# Altium PCB PCB1.PcbDoc
Units mm, origin at the board's own origin, x right, y up, seen from the top; angles counter-clockwise.
Board outline 34 x 34 mm, 2 copper layers (Top Layer, Bottom Layer), stack 1.271 mm thick; 72 components, 72 nets, 254 pads, 161 vias.
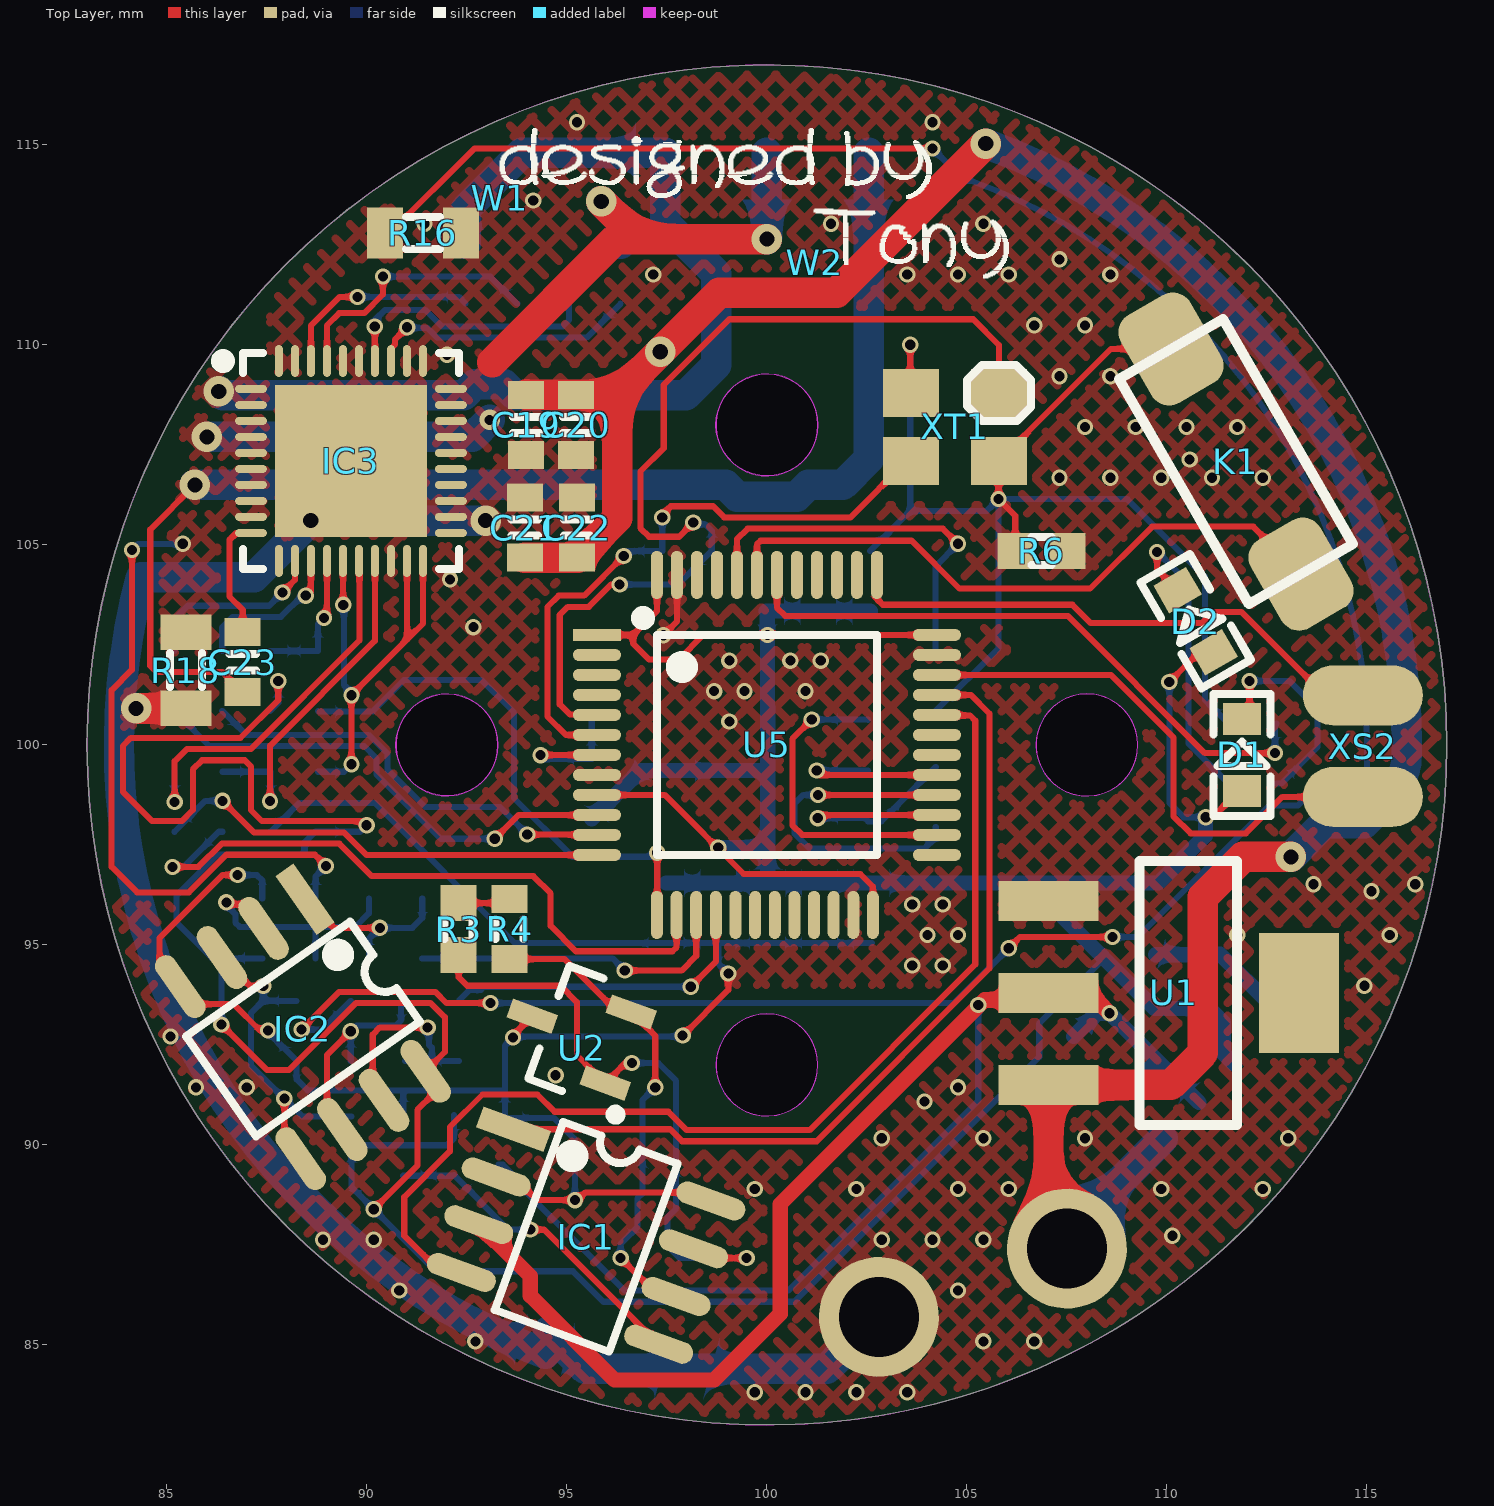
[diagram p0: Top Layer view]
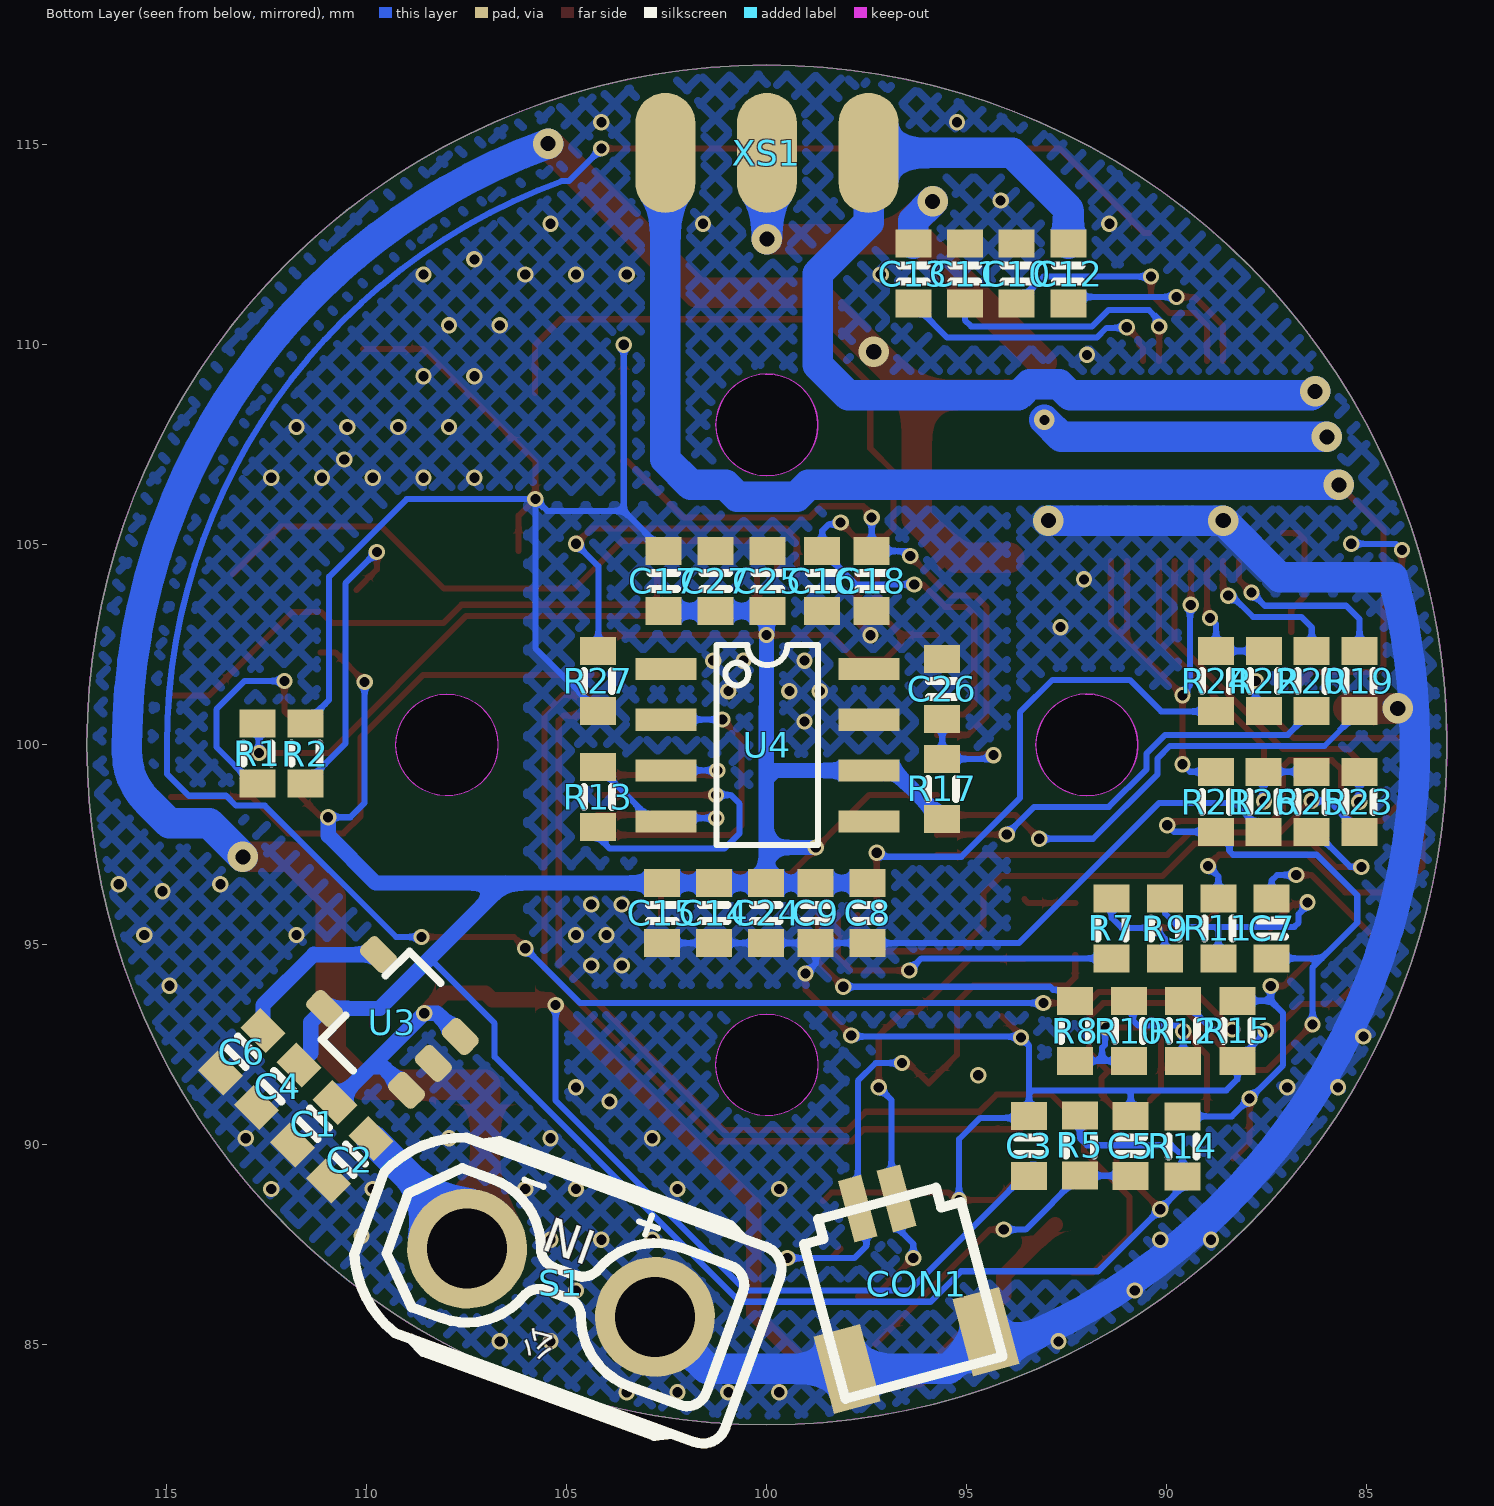
[diagram p1: Bottom Layer view, seen from below]
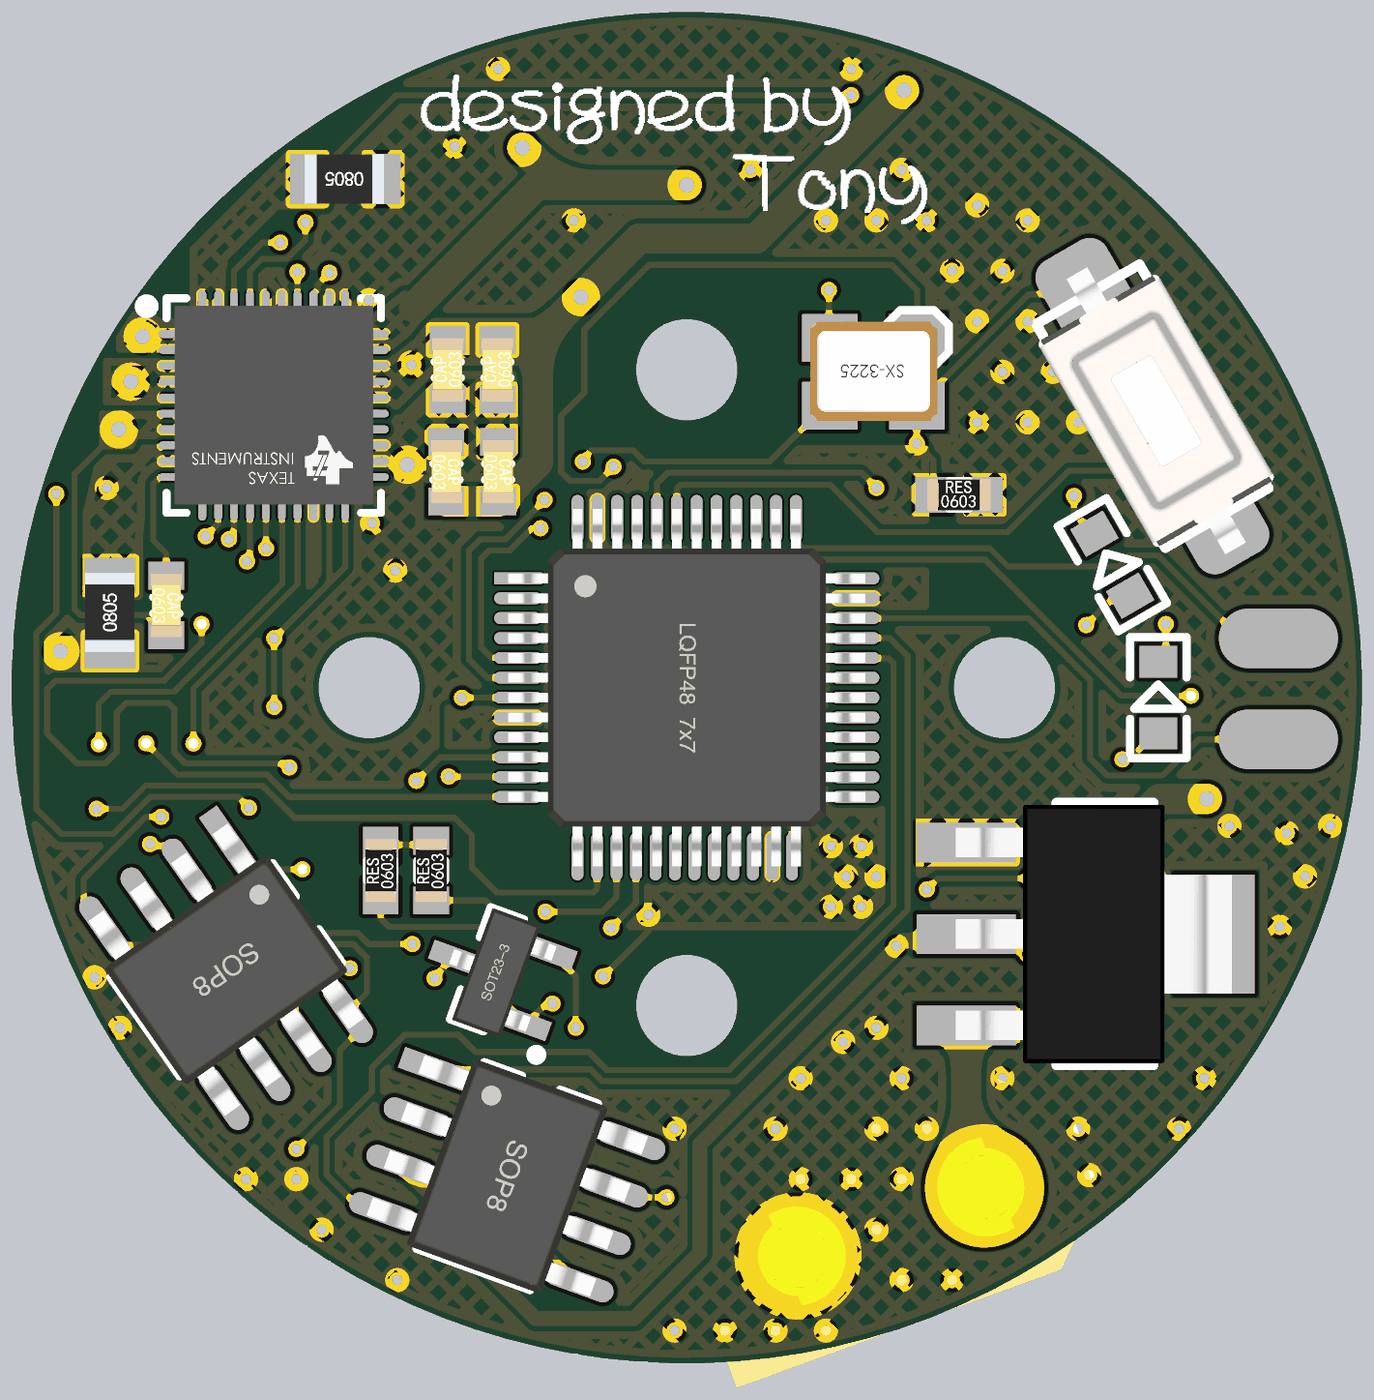
[diagram p2: 3D render of the assembled board from above, using the file's embedded part models]
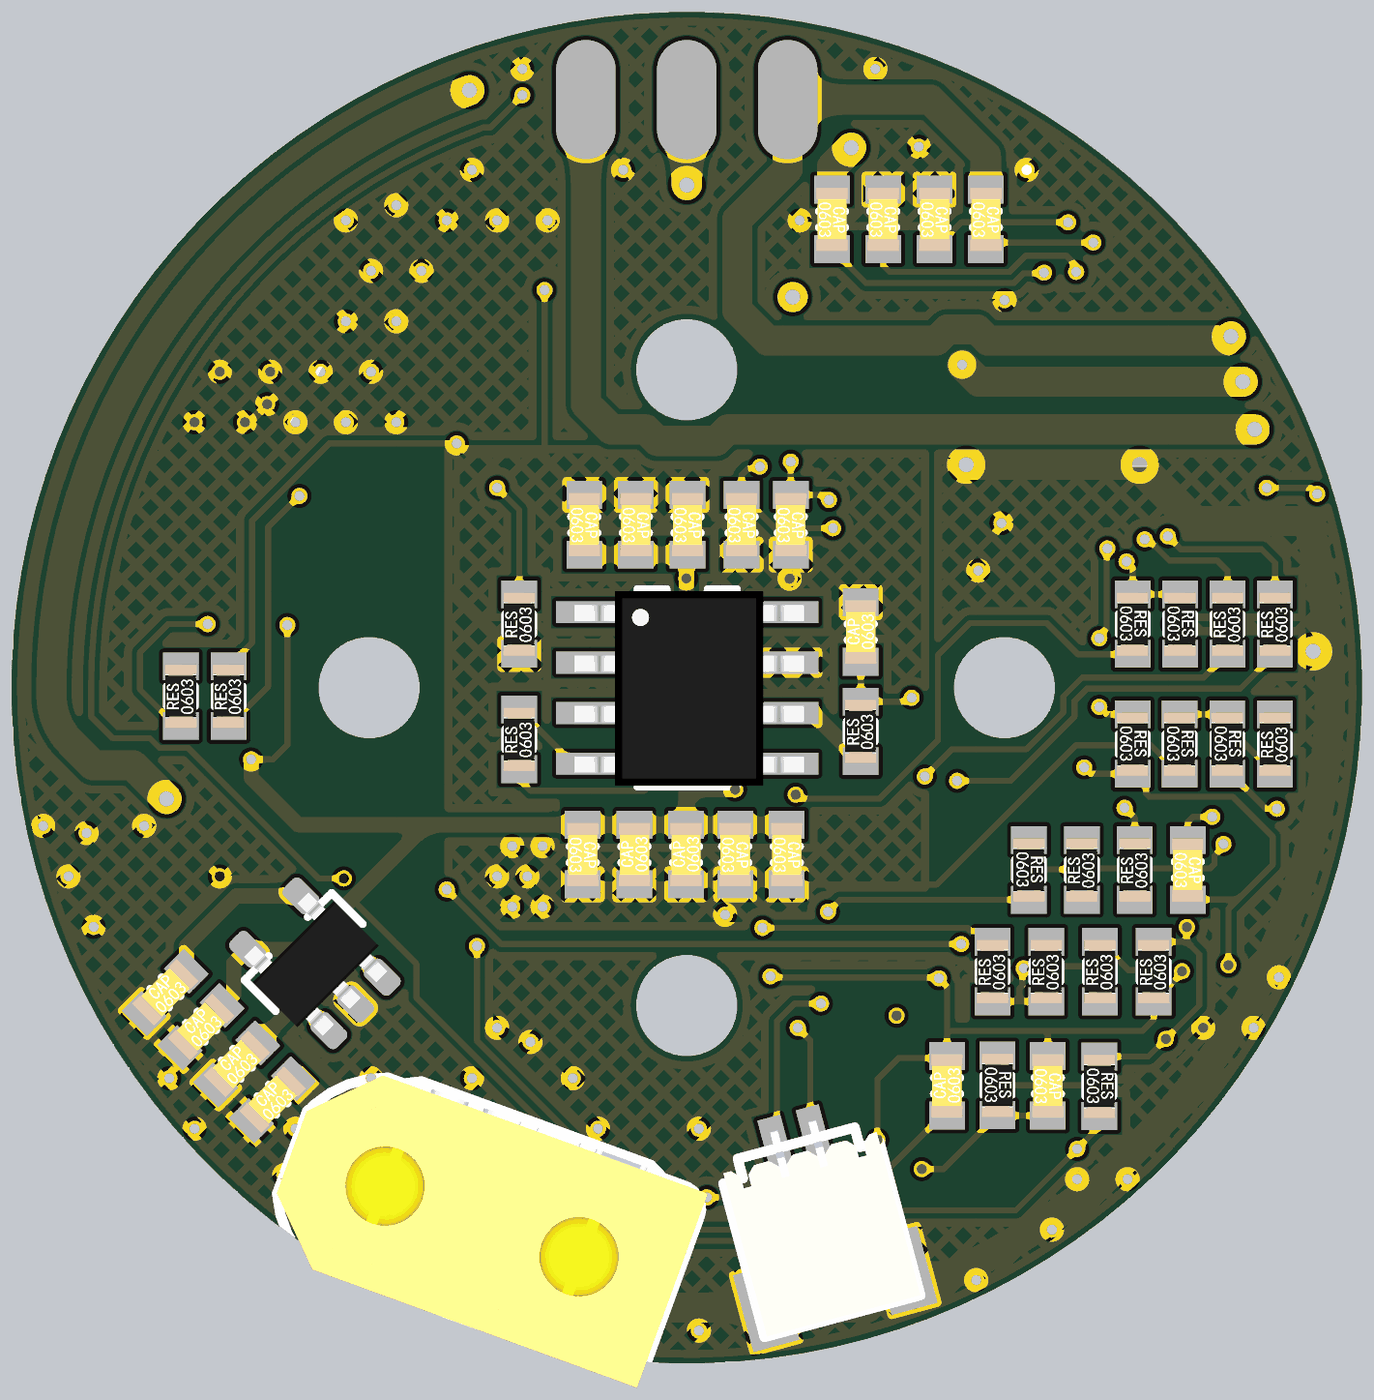
[diagram p3: 3D render of the assembled board from below, using the file's embedded part models]

## Layer stack, top to bottom
Top Solder: solder mask 0.0102, Solder Resist, Dk 3.5
Top Layer: signal copper 0.0356
Dielectric 1: dielectric 1.2, FR-4, Dk 4.8
Bottom Layer: signal copper 0.0356
Bottom Solder: solder mask 0.0102, Solder Resist, Dk 3.5

## Board outline
100,83 cw(c100,100) 83,100 cw(c100,100) 100,117 cw(c100,100) 117,100 cw(c100,100)
cut-out: 100,106.725 cw(c100,108) 98.725,108 cw(c100,108) 100,109.275 cw(c100,108) 101.275,108 cw(c100,108)
cut-out: 106.725,100 ccw(c108,100) 108,98.725 ccw(c108,100) 109.275,100 ccw(c108,100) 108,101.275 ccw(c108,100)
cut-out: 92,98.725 cw(c92,100) 90.725,100 cw(c92,100) 92,101.275 cw(c92,100) 93.275,100 cw(c92,100)
cut-out: 98.725,92 ccw(c100,92) 100,90.725 ccw(c100,92) 101.275,92 ccw(c100,92) 100,93.275 ccw(c100,92)

## Design rules (kind name [scope] priority, off if disabled: settings)
Clearance [All] p1: gap=0.127 ignorepadtopadclearanceinfootprint=TRUE
ComponentClearance [All] p1: gap=0.254 collisioncheckmode=3 verticalgap=-0.508 showdistances=FALSE
PlaneConnect [All] p1: planeconnectstyle=Direct reliefexpansion=0.508 reliefentries=4 reliefconductorwidth=0.254 reliefairgap=0.254
PolygonConnect [All] p1: connectstyle=Direct reliefconductorwidth=0.254 reliefentries=4 polygonreliefangle="90 Angle" airgapwidth=0.254
RoutingVias [All] p1: holewidth=0.711 width=1.27 viastyle="Through Hole" minholewidth=0.711 minwidth=1.27 maxholewidth=0.711 maxwidth=1.27
SolderMaskExpansion [All] p1: expansion=0.102 istentingtop=FALSE
Width [All] p1: maxlimit=2.54 minlimit=0.102 preferedwidth=0.152
28 further rules are at their usual default settings.

## Components (designator, comment, footprint, x,y, rotation, side; value= is the part's Value field where it differs from the comment)
C1 "0603-22u" CAP_0603 111.6,90.8 r135 bottom locked
C2 "0603-106" CAP_0603 110.7,89.9 r135 bottom locked
C3 "0603-104" CAP_0603 93.828,89.98 r90 bottom
C4 "106" CAP_0603 112.5,91.739 r135 bottom locked
C5 "0603-104" CAP_0603 90.525,89.98 r270 bottom
C6 "106" CAP_0603 113.4,92.6 r135 bottom locked
C7 "0603-104" CAP_0603 87.002,95.414 r270 bottom
C8 "104" CAP_0603 97.1,95.8 r270 bottom locked
C9 "2u2" CAP_0603 98.4,95.8 r270 bottom locked
C10 "0603-106" CAP_0603 93.378,111.785 r270 bottom
C11 "0603-106" CAP_0603 94.67,111.785 r270 bottom
C12 "0603-104" CAP_0603 92.087,111.785 r270 bottom
C13 "0603-104" CAP_0603 95.961,111.785 r270 bottom
C14 "104" CAP_0603 101.7,95.8 r90 bottom locked
C15 "104" CAP_0603 102.238,95.8 r270 bottom locked
C16 "22p" CAP_0603 98.238,104.1 r270 bottom locked
C17 "104" CAP_0603 102.2,104.1 r270 bottom locked
C18 "22p" CAP_0603 97,104.1 r270 bottom locked
C19 "0603-106" CAP_0603 93.6,108 r90 top locked
C20 "0603-106" CAP_0603 94.85,108 r90 top locked
C21 "0603-106" CAP_0603 94.33,105.435 r270 top locked
C22 "0603-106" CAP_0603 95.631,105.435 r270 top locked
C23 "0603-104" CAP_0603 87.274,102.071 r270 top locked
C24 "105" CAP_0603 100.4,95.8 r90 bottom locked
C25 "104" CAP_0603 99.6,104.1 r270 bottom locked
C26 "104" CAP_0603 96,101.4 r90 bottom locked
C27 "104" CAP_0603 100.9,104.1 r270 bottom locked
CON1 "SH1.0_2" "SH1.0 Horizontal 2P" 97.245,88.536 r345 bottom locked
D1 "led" led0603 112,99.8 r90 top locked
D2 "led" led0603 110.8,103.2 r120 top locked
IC1 "TJA1050" SOP8_N 95.479,87.706 r340 top locked
IC2 "LM358ADT" SOP8_N 88.4,92.9 r305 top locked
IC3 "MP6536DU" QFN-40_5X5 87.101,108.901 r0 top locked
K1 "3-6微动开关" 3-6微动开关 113.35,104.271 r120 top locked
R1 "0603-3k" RES_0603 113.121,99.786 r90 bottom locked
R2 "0603-3k" RES_0603 111.921,99.786 r90 bottom locked
R3 "0R" RES_0603-SHORT 91.913,95.396 r90 top locked
R4 "0603-120" RES_0603 93.183,95.396 r90 top locked
R5 "0603-1K'" RES_0603 91.796,89.992 r270 bottom
R6 "0R" RES_0603-SHORT 106.858,105.232 r0 top locked
R7 "0603-100" RES_0603 91.002,95.414 r270 bottom
R8 "0603-100" RES_0603 92.68,92.854 r90 bottom
R9 "0603-10K" RES_0603 90.43,95.414 r90 bottom
R10 "0603-10K" RES_0603 91.327,92.854 r90 bottom
R11 "0603-1K" RES_0603 89.097,95.414 r90 bottom
R12 "0603-1K" RES_0603 89.974,92.854 r90 bottom
R13 "4.7K" RES_0603 104.6,98.7 r90 bottom locked
R14 "0603-10K" RES_0603 89.23,89.967 r270 bottom
R15 "0603-390" RES_0603 88.621,92.854 r90 bottom
R16 "0805-0.05" RES_0805 91.4,112.8 r180 top locked
R17 "10k" RES_0603 96,98.9 r90 bottom locked
R18 "0805-0.05" RES_0805 85.474,101.871 r90 top locked
R19 "0603-100" RES_0603 85.567,101.6 r90 bottom
R20 "0603-100" RES_0603 86.762,101.6 r90 bottom
R21 "0603-10k" RES_0603 88.391,98.58 r270 bottom
R22 "0603-10k" RES_0603 87.195,101.6 r270 bottom
R23 "0603-100" RES_0603 85.569,98.58 r90 bottom
R24 "0603-100" RES_0603 88.391,101.6 r270 bottom
R25 "0603-100" RES_0603 86.008,98.58 r270 bottom
R26 "0603-10k" RES_0603 87.209,98.58 r270 bottom
R27 "10k" RES_0603 104.6,101.6 r90 bottom locked
S1 "DC-IO" XT30UPB-M 102.8,85.7 r290 bottom locked
U1 "AMS1117-5V" SOT223 113.3,93.8 r270 top locked
U2 "PESD1CAN" SOT23-3 95.956,91.543 r250 top locked
U3 "ME6211 3V3" SOT23-5 109.4,93.1 r45 bottom locked
U4 "TLE5012BE1000" SO-8 102.53,101.9 r180 bottom locked
U5 "STM32F103C8T6" LQFP48 100,100 r0 top locked
W1 "设计于" "designed by（430-70）" 93.32,113.665 r0 top
W2 "Tony" Tony_2(200-70) 101.194,112.065 r0 top
XS1 "HDR-1X3" SSP-3P 102.54,114.8 r180 bottom locked
XS2 "HDR-1X2" SSP-2P 114.9,98.7 r90 top locked
XT1 "8M" SMD3225_4p 105.8,108.8 r180 top locked

## Footprints (in the part's own frame and the unit in brackets; to place one, negate y for a bottom-side part, rotate by r counter-clockwise, add the part's x,y. Pads: shape width x height; smd on the part's side, far side on the other; paste and mask are expansions set on the pad)
3-6微动开关 [mm]
  rrect50% 2.54x2 smd: 1(0,0) 2(6.5,0)
  silkscreen extent 0,-1.5 6.5,1.5, body extent -0.9,-1.78 7.1,1.72, height 2.59
CAP_0603 [mm]
  rect 0.7x0.9 smd: 1(-0.75,-0.381) 2(0.75,-0.381)
  silkscreen extent -0.2,-0.71 0.2,-0.05, body extent -0.8,-0.78 0.8,0.02, height 0.8
"designed by（430-70）" [mm]
  silkscreen extent 0,0 10.79,1.75
led0603 [mm]
  rect 0.8x0.95 smd: 1(-0.95,0.125) 2(0.85,0.125)
  silkscreen extent -1.57,-0.59 1.47,0.84, body extent -1.02,-0.4 1,0.67, height 0.5
LQFP48 [mm] "STM32-48pin"
  rect 1.2x0.3 smd mask+0.051: 1(-4.25,2.75)
  oval 1.2x0.3 smd mask+0.051: 2(-4.25,2.25) 3(-4.25,1.75) 4(-4.25,1.25) 5(-4.25,0.75) 6(-4.25,0.25) 7(-4.25,-0.25) 8(-4.25,-0.75) 9(-4.25,-1.25) 10(-4.25,-1.75) 11(-4.25,-2.25) 12(-4.25,-2.75) 25(4.25,-2.75) 26(4.25,-2.25) 27(4.25,-1.75) 28(4.25,-1.25) 29(4.25,-0.75) 30(4.25,-0.25) 31(4.25,0.25) 32(4.25,0.75) 33(4.25,1.25) 34(4.25,1.75) 35(4.25,2.25) 36(4.25,2.75)
  oval 0.3x1.2 smd mask+0.051: 13(-2.75,-4.25) 14(-2.259,-4.25) 15(-1.768,-4.25) 16(-1.278,-4.25) 17(-0.787,-4.25) 18(-0.296,-4.25) 19(0.195,-4.25) 20(0.685,-4.25) 21(1.176,-4.25) 22(1.667,-4.25) 23(2.158,-4.25) 24(2.648,-4.25) 37(2.75,4.25) 38(2.25,4.25) 39(1.75,4.25) 40(1.25,4.25) 41(0.75,4.25) 42(0.25,4.25) 43(-0.25,4.25) 44(-0.75,4.25) 45(-1.25,4.25) 46(-1.75,4.25) 47(-2.25,4.25) 48(-2.75,4.25)
  silkscreen extent -3.25,-2.75 2.75,3.32, body extent -4.5,-4.5 4.5,4.5, height 1.45
QFN-40_5X5 [mm] "5mm-5mm"
  oval 0.8x0.2 smd paste-100 mask+0.051: 1(0,0) 2(0,-0.401) 3(0,-0.8) 4(0,-1.201) 5(0,-1.6) 6(0,-2.002) 7(0,-2.4) 8(0,-2.802) 9(0,-3.2) 10(0,-3.602) 21(4.999,-3.602) 22(4.999,-3.2) 23(4.999,-2.802) 24(4.999,-2.4) 25(4.999,-2.002) 26(4.999,-1.6) 27(4.999,-1.201) 28(4.999,-0.8) 29(4.999,-0.401) 30(4.999,0)
  oval 0.2x0.8 smd paste-100 mask+0.051: 11(0.699,-4.3) 12(1.1,-4.3) 13(1.499,-4.3) 14(1.9,-4.3) 15(2.299,-4.3) 16(2.7,-4.3) 17(3.099,-4.3) 18(3.5,-4.3) 19(3.899,-4.3) 20(4.3,-4.3) 31(4.3,0.699) 32(3.899,0.699) 33(3.5,0.699) 34(3.099,0.699) 35(2.7,0.699) 36(2.299,0.699) 37(1.9,0.699) 38(1.499,0.699) 39(1.1,0.699) 40(0.699,0.699)
  rect 3.8x3.8 smd paste-100 mask+0.051: 41(2.499,-1.801)
  silkscreen extent -0.85,-4.5 5.2,0.9, body extent 0,-4.29 5,0.71, height 0.73
RES_0603 [mm]
  rect 0.7x0.9 smd: 1(-0.75,-0.381) 2(0.75,-0.381)
  silkscreen extent -0.25,-0.73 0.25,-0.03, body extent -0.8,-0.78 0.8,0.02, height 0.45
RES_0603-SHORT [mm]
  rect 0.9x0.9 smd: 1(-0.65,-0.381) 2(0.65,-0.381)
  silkscreen extent -0.25,-0.73 0.25,-0.03, body extent -0.8,-0.78 0.8,0.02, height 0.45
RES_0805 [mil]
  rect 35x50 smd: 1(-37.4,0) 2(37.4,0)
  silkscreen extent -17,-16 17,16, body extent -38,-25 40,25, height 14
"SH1.0 Horizontal 2P" [mm] "SH1.0 接插件 卧式"
  rect 1.2x2 smd: 0(-1.8,3.8) 0(1.8,3.8)
  rect 0.6x1.6 smd: 1(0.5,0) 2(-0.5,0)
  silkscreen extent -2.03,0 2.03,4.51, body extent -2.03,-0.44 1.97,4.51, height 2.9
SMD3225_4p [mm]
  rect 1.4x1.2 smd: 1(0,0) 2(2.2,0) 3(2.2,1.7) 4(0,1.7)
  silkscreen extent -0.8,-0.7 0.8,0.7, body extent -0.51,-0.41 2.69,2.09, height 0.81
SO-8 [mm]
  rect 1.525x0.555 smd mask+0.102: 1(0,0) 2(0,-1.27) 3(0,-2.54) 4(0,-3.81) 5(5.08,-3.81) 6(5.08,-2.54) 7(5.08,-1.27) 8(5.08,0)
  silkscreen extent 1.27,-4.41 3.81,0.6, body extent -0.3,-4.37 5.48,0.53, height 1.45
SOP8_N [mm] "5*6*1.8mm（长宽高）"
  rect 1.8x0.55 smd: 1(-2.625,1.905)
  oval 1.8x0.55 smd: 2(-2.625,0.635) 3(-2.625,-0.635) 4(-2.625,-1.905) 5(2.625,-1.905) 6(2.625,-0.635) 7(2.625,0.635) 8(2.625,1.905)
  silkscreen extent -1.52,-2.5 1.52,2.5, body extent -3,-2.5 3,2.5, height 1.9
SOT23-3 [mm]
  rect 0.5x1.2 smd: 1(0,0) 2(-1.9,0) 3(-0.95,-2.286)
  silkscreen extent -2.45,-1.84 0.77,0.63, body extent -2.45,-2.34 0.55,0.06, height 1.05
SOT23-5 [mm] "SOT23, 3-Leads, Body 3.1x3.0mm (max), Pitch 0.95mm, IPC Medium Density"
  rrect50% 0.889x0.6 smd: 1(-1.5,0.95) 2(-1.5,0) 3(-1.5,-0.95) 4(1.396,-0.95) 5(1.396,0.95)
  silkscreen extent -0.2,-1.55 0.9,1.55, body extent -1.48,-1.45 1.32,1.45, height 1.2
SOT223 [mm]
  rect 1x2.5 smd: 1(-2.3,-6.262) 2(0,-6.262) 3(2.3,-6.262)
  rect 3x2 smd: ""(0,0)
  silkscreen extent -3.3,-3.99 3.3,-1.55, body extent -3.25,-6.53 3.25,0.43, height 1.7
SSP-2P [mm] "single sided pad 单面焊盘"
  oval 1.5x3 smd: 1(0,0) 2(2.54,0)
SSP-3P [mm] "single sided pad 单面焊盘"
  oval 1.5x3 smd: 1(0,0) 2(2.54,0) 3(5.08,0)
Tony_2(200-70) [mm]
  silkscreen extent -0.03,-0.38 4.85,1.35
XT30UPB-M [mm] "电源输入"
  round 3 hole 2: 1(0,0) 2(0,-5)
  silkscreen extent -2.8,-7.6 2.8,2.6, body extent -2.71,-7.71 2.59,2.69, height 12.6

## Part data
C1 C2 C3 C4 C5 C6 C7 C8 C9 C10 C11 C12 C13 C14 C15 C16 C17 C18 C19 C20 C21 C22 C23 C24 C25 C26 C27: library part cap
CON1: "SH1.0 座子"
IC1: "CAN总线收发芯片", BOM名称=CAN总线收发芯片, 学习资源=www.ooocke.com, 版权归属=源创客
IC2: "双通道运放-电流采样芯片", BOM名称=双通道运放-电流采样芯片
IC3: "三通道板桥驱动芯片"
K1: "3*6mm"
R1 R2 R4 R5 R7 R8 R9 R10 R11 R12 R13 R14 R15 R16 R17 R18 R19 R20 R21 R22 R23 R24 R25 R26 R27: library part Res
R3 R6: library part Res-SHORT
S1: library part XT30, "XT30UPB-I/O"
U1: library part AMS1117
U2: "CAN过压保护,放于外部接口端"
U3: library part ME6211, "LDO"
U4: library part TLE5012, "磁角度编码器"
U5: library part STM32F103C8T6-LCC
XS1: library part "Header 3", "3P接插件", BOM名称=3P接插件, 学习资源=www.ooocke.com, 版权归属=源创客
XS2: library part "Header 2", "2P接插件", BOM名称=2P接插件, 学习资源=www.ooocke.com, 版权归属=源创客
XT1: library part XTAL-4P

## Via types
v1: diameter 0.406, hole 0.254, Top Layer to Bottom Layer, 149 vias
v2: diameter 0.762, hole 0.381, Top Layer to Bottom Layer, 11 vias
v3: diameter 0.508, hole 0.254, Top Layer to Bottom Layer, 1 vias

## Nets (pads, with @x,y where several pads share a name; then routed paths per layer and width w, separated by ;. In a path a pad name is that pad's centre, name@x,y a point inside that pad or via, vN(x,y) a via of type N, cw(c..) or ccw(c..) an arc to the next point about the centre after c; other vN are vias at no path point)
3v3: C4.2 C7.2 C8.1 C9.1 C14.2 C15.1 C17.2 C24.2 C25.2 C27.2 D1.1 D2.1 IC2.8 R5.1 R14.2 R17.1 R21.2 R22.2 U3.5 U4.6 U5.1 U5.9 U5.24 U5.36 U5.48 | length 130.8
  Top Layer w0.152: v1(86.36,93.015) 87.503,91.872 88.046,91.872 89.722,93.548 91.592,93.548 91.948,93.193 91.948,92.324 IC2.8 91.641,91.668 91.641,91.254 91.262,90.876 91.262,89.484 v1(90.17,88.392) ; v1(87.782,101.6) 87.782,101.122 86.838,100.178 84.099,100.178 83.896,99.974 83.896,98.831 84.633,98.095 85.369,98.095 85.649,98.374 85.649,99.39 85.877,99.619 86.944,99.619 87.097,99.466 87.097,98.374 87.376,98.095 89.891,98.095 v1(89.992,97.993) ; U5.9 97.44,98.75 99.416,96.774 102.337,96.774 102.648,96.462 U5.24 ; U5.1 96.654,102.75 ; U5.48 97.25,103.346 96.654,102.75 ; U5.36 v1(100.011,102.75) 98.407,102.75 97.79,102.133 97.053,102.133 96.654,102.533 96.654,102.75 ; v1(110.058,101.575) 110.798,102.314 D2.1 ; v1(110.97,98.194) 111.019,98.243 111.193,98.243 111.8,98.85 D1.1
  Bottom Layer w0.152: v1(86.36,93.015) 86.36,94.437 86.131,94.666 ; C7.2 87.381,94.666 86.131,94.666 ; R22.2 87.782,101.056 v1(87.782,101.6) ; v1(89.992,97.993) 89.829,97.83 88.711,97.83 88.437,97.556 88.437,97.346 88.348,97.257 86.258,97.257 85.242,96.241 85.242,95.555 86.131,94.666 ; R5.1 92.177,90.17 91.999,89.992 89.891,89.992 89.611,89.713 R14.2 89.611,88.951 v1(90.17,88.392) 91.719,86.843 95.148,86.843 95.91,86.081 100.686,86.081 106.807,92.202 106.807,93.04 108.382,94.615 108.382,94.717 ; v1(110.058,101.575) 110.058,98.552 110.416,98.194 v1(110.97,98.194)
  Bottom Layer w0.381: R17.1 96.829,99.36 U4.6 99.796,99.36 100.019,99.137 ; C8.1 C9.1 C24.2 ; v1(98.781,97.434) 100.019,97.434 ; C17.2 C27.2 C25.2 100.006,103.325 100.006,102.755 v1(100.011,102.75) 100.011,100.944 100.019,100.936 100.019,99.137 ; v1(110.97,98.194) 110.966,98.189 110.966,97.732 109.783,96.55 106.548,96.55 ; C4.2 111.404,92.296 111.404,93.069 U3.5 109.683,93.415 108.382,94.717 106.548,96.55 ; C24.2 100.019,97.434 ; C24.2 C14.2 C15.1 106.548,96.55 ; 100.019,97.434 100.019,99.137
5V: C1.2 C3.1 IC1.3 U1.2 U3.1 U3.3 | length 46.6
  Top Layer w0.381: IC1.3 94.082,86.72 94.082,86.233 96.19,84.125 98.679,84.125 100.33,85.776 100.33,88.519 105.296,93.485 105.44,93.629 106.867,93.629 U1.2 108.061,93.8 v1(108.567,93.294)
  Bottom Layer w0.152: C3.1@93.294,89.51 93.394,89.51 93.668,89.236 93.668,89.136 96.444,86.36 100.533,86.36 105.283,91.11 v1(105.283,93.497)
  Bottom Layer w0.381: U3.3 108.251,93.294 v1(108.567,93.294) 109.91,91.951 ; U3.1 109.595,91.951 109.91,91.951 ; C1.2 109.91,91.951
BOOT0: R27.2 U5.44 | length 9.6
  Top Layer w0.152: U5.44 99.25,105.143 99.517,105.41 104.394,105.41 v1(104.775,105.029)
  Bottom Layer w0.152: R27.2 104.216,102.353 104.216,104.47 v1(104.775,105.029)
CAN1_RX: IC1.4 U5.32 | length 27.7
  Top Layer w0.152: IC1.4 91.85,86.814 90.932,87.732 90.932,88.697 92.075,89.84 92.075,90.449 92.888,91.262 94.259,91.262 94.691,90.83 97.536,90.83 97.993,90.373 101.067,90.373 105.207,94.513 105.207,100.609 105.08,100.736 104.264,100.736 U5.32
CAN1_TX: IC1.1 U5.33 | length 21.7
  Top Layer w0.152: IC1.1 97.577,90.394 97.877,90.094 101.244,90.094 105.562,94.412 105.562,100.787 105.1,101.25 U5.33
CAN1H: CON1.1 IC1.7 R3.1 U2.1 | length 16
  Top Layer w0.152: R3.1 92.294,94.193 92.507,93.98 94.844,93.98 95.25,93.574 95.25,92.249 U2.1 96.462,92.05 v1(96.622,92.05) ; IC1.7 98.395,87.173 v1(99.492,87.173)
  Bottom Layer w0.152: v1(96.622,92.05) 97.282,92.05 97.728,91.604 CON1.1 97.511,88.19 97.511,87.478 97.815,87.173 v1(99.492,87.173)
CAN1L: CON1.2 IC1.6 R4.1 U2.2 | length 12.1
  Top Layer w0.152: R4.1 94.94,94.646 96.257,93.329 U2.2 97.206,92.729 v1(97.206,91.44) ; v1(96.342,87.173) 97.303,86.212 IC1.6
  Bottom Layer w0.152: v1(96.342,87.173) 96.342,87.528 96.762,87.948 CON1.2 96.891,88.795 96.891,91.125 v1(97.206,91.44)
CS: U4.3 U5.29 | length 4.3
  Top Layer w0.152: v1(101.244,99.365) 101.359,99.25 U5.29
  Bottom Layer w0.152: v1(101.244,99.365) 102.525,99.365 U4.3
DC+: C2.2 C19.2 C20.2 C21.2 C22.2 IC3.3 IC3.4 IC3.5 IC3.26 IC3.27 IC3.28 S1.2 U1.3 | length 70
  Top Layer w0.762: C21.2 C22.2 95.268,104.685 96.253,105.67 96.253,108.75 ; C19.2@94,108.769 C19.2 C20.2 96.253,108.75 ; v2(105.472,115.035) 101.74,111.303 98.806,111.303 v2(97.333,109.83) 96.253,108.75 ; S1.2 107.038,87.871 U1.3 110.1,91.5 110.9,92.3 110.9,96.2 111.9,97.2 v2(113.1,97.2)
  Bottom Layer w0.762: v2(86,107.7) 92.638,107.7 v3(93.066,108.128) ; v2(105.472,115.035) cw(c100,100) 116,100 116,99.807 cw(c114.293,99.807) 115.5,98.6 114.947,98.047 113.947,98.047 v2(113.1,97.2) ; S1.2 107.498,87.759 C2.2
DGND: C3.2 C5.1 C7.1 C8.2 C9.2 C14.1 C15.2 C16.2 C17.1 C18.2 C24.1 C25.1 C26.2 C27.1 IC1.2 IC1.8 IC2.4 K1.2 R2.2 R6.1 R15.1 R26.2 R27.1 U2.3 U4.7 U5.8 U5.23 U5.35 U5.47 XT1.2 XT1.4 | length 85.8
  Top Layer w0.152: v1(86.766,96.749) 86.385,96.749 84.811,95.174 84.811,94.481 IC2.4 85.769,93.523 86.665,93.523 87.325,92.862 v1(87.528,92.862) ; IC1.2 93.679,89.201 94.259,88.621 v1(95.199,88.621) 95.268,88.621 95.46,88.812 98.383,88.812 IC1.8 ; v1(93.65,92.685) 93.65,92.735 U2.3 ; v1(97.409,102.743) 97.75,103.084 U5.47 ; v1(97.892,92.735) 99.035,93.878 v1(99.035,94.285) ; v1(103.581,110.007) 103.581,108.819 XT1.2 ; R6.1 106.208,105.73 v1(105.791,106.147) 105.791,107.091 XT1.4 108.6,109.9 K1.2
  Bottom Layer w0.152: v1(86.766,96.749) 87.249,96.749 87.383,96.615 C7.1 ; v1(87.528,92.862) 87.528,92.816 R15.1 88.24,91.642 88.519,91.364 90.995,91.364 ; R26.2 88.312,98.552 90.195,98.552 93.701,95.047 97.478,95.047 C8.2 C9.2 ; C5.1 90.906,91.275 90.995,91.364 ; v1(95.199,88.621) 95.199,90.145 94.666,90.678 93.499,90.678 C3.2 93.447,91.275 ; v1(97.892,92.735) 97.866,92.71 93.675,92.71 93.447,92.481 93.447,91.275 ; v1(99.035,94.285) 98.781,94.538 C9.2 ; C17.1 103.581,105.85 ; C15.2 C14.1 C24.1 C9.2 ; v1(103.581,110.007) 103.581,105.85 ; R27.1 105.791,102.422 v1(105.791,106.147) ; R2.2 110.947,101.129 110.947,104.207 109.007,106.147 v1(105.791,106.147) ; 90.995,91.364 93.357,91.364 93.447,91.275 ; 103.581,105.85 105.495,105.85 v1(105.791,106.147)
  other v1: 103.632,94.488 104.394,94.488 104.013,95.25 104.775,95.25 103.632,96.012 104.394,96.012 99.06,100.584 98.679,101.346 99.441,101.346 100.965,101.346 99.06,102.108 100.584,102.108 101.346,102.108
LED: R1.2 U5.42 | length 15.5
  Top Layer w0.152: U5.42 100.25,103.433 100.457,103.226 107.518,103.226 110.947,99.797 v1(112.7,99.797)
  Bottom Layer w0.152: v1(112.7,99.797) 112.7,100.496 R1.2
M1_ADC_IU: R7.2 U5.15 | length 8.1
  Top Layer w0.152: v1(96.444,94.361) 97.866,94.361 98.232,94.726 U5.15
  Bottom Layer w0.152: R7.2 96.14,94.664 v1(96.444,94.361)
M1_ADC_IV: R8.2 U5.16 | length 8
  Top Layer w0.152: v1(98.095,93.955) 98.722,94.582 U5.16
  Bottom Layer w0.152: R8.2 92.573,93.878 92.846,93.878 92.923,93.955 v1(98.095,93.955)
M1_FAULTB: R24.2 U5.13 | length 13.5
  Top Layer w0.152: U5.13 97.257,95.757 v1(97.257,97.307)
  Bottom Layer w0.152: R24.2 88.784,100.838 90.145,100.838 90.932,101.625 92.862,101.625 93.675,100.813 93.675,98.67 95.139,97.206 97.155,97.206 v1(97.257,97.307)
M1_IU: IC3.8 IC3.9 R11.2 R18.2 | length 16.5
  Top Layer w0.152: v1(84.125,104.877) 84.125,101.879 83.617,101.371 83.617,96.952 84.252,96.317 85.547,96.317 86.487,97.257 88.697,97.257 v1(88.976,96.977)
  Bottom Layer w0.152: v1(84.125,104.877) 84.277,105.029 v1(85.395,105.029) ; R11.2 88.716,96.717 v1(88.976,96.977)
M1_IV: IC3.39 IC3.40 R12.2 R16.2 | length 66
  Top Layer w0.152: v1(88.367,92.888) 89.306,93.828 91.708,93.828 91.988,93.548 v1(93.091,93.548) ; R16.2 90.575,112.8 92.685,114.91 v1(104.14,114.91) ; v1(106.045,94.92) 106.324,95.199 v1(108.636,95.199)
  Bottom Layer w0.152: v1(88.367,92.888) 88.877,92.888 R12.2 ; v1(93.091,93.548) 104.673,93.548 v1(106.045,94.92) ; v1(104.14,114.91) 104.954,114.095 105.13,114.095 cw(c100,100) 115,100 115,99.277 114.452,98.73 113.521,98.73 113.274,98.483 112.554,98.483 109.271,95.199 v1(108.636,95.199)
M1_TIM_PWM1: R19.1 U5.10 | length 12.4
  Top Layer w0.152: v1(93.193,97.656) 93.783,98.247 95.747,98.247 U5.10
  Bottom Layer w0.152: R19.1 86.061,99.974 89.927,99.974 90.236,99.666 90.236,99.269 91.849,97.656 v1(93.193,97.656)
M1_TIM_PWM2: R20.1 U5.11 | length 10.9
  Top Layer w0.152: v1(94.005,97.765) 94.013,97.757 95.743,97.757 U5.11
  Bottom Layer w0.152: R20.1 86.977,100.254 90.043,100.254 90.515,99.781 90.515,99.385 91.45,98.45 93.32,98.45 v1(94.005,97.765)
M1_TIM_PWM3: R23.1 U5.12 | length 11.4
  Top Layer w0.152: v1(86.385,98.603) 87.173,97.815 89.422,97.815 89.988,97.25 U5.12
  Bottom Layer w0.152: R23.1 85.961,98.603 v1(86.385,98.603)
M1_U: C23.2 IC3.6 IC3.7 XS1.1 | length 32.6
  Top Layer w0.152: v2(85.7,106.5) 84.582,105.382 84.582,101.981 84.734,101.829 86.385,101.829 C23.2
  Bottom Layer w0.762: v2(85.7,106.5) 98.969,106.5 99.259,106.211 100.741,106.211 101.031,106.5 101.9,106.5 102.54,107.14 XS1.1
M1_V: C12.1 IC3.1 IC3.2 XS1.3 | length 25.3
  Bottom Layer w0.762: v2(86.297,108.839) 86.399,108.737 92.418,108.737 92.697,109.017 93.434,109.017 93.713,108.737 97.968,108.737 98.73,109.499 98.73,111.785 97.46,113.055 XS1.3 93.87,114.8 92.468,113.397 C12.1
M1_W: C13.1 IC3.29 IC3.30 XS1.2 | length 12.9
  Top Layer w0.762: 93.132,109.566 96.215,112.649 96.799,112.649 ; v2(95.86,113.589) 96.799,112.649 ; v2(100,112.649) 96.799,112.649
  Bottom Layer w0.762: v2(95.86,113.589) 96.342,113.106 C13.1 ; v2(100,112.649) XS1.2
M_EN: R25.2 U5.14 | length 16.9
  Top Layer w0.152: v1(85.141,96.952) 85.787,96.952 86.371,97.536 89.306,97.536 90.119,96.723 94.158,96.723 94.59,96.291 94.59,95.479 95.225,94.844 97.638,94.844 97.741,94.947 U5.14
  Bottom Layer w0.152: v1(85.141,96.952) 85.42,96.952 86.298,97.83 R25.2
M_TLE5012_CLK: U4.2 U5.26 | length 8
  Top Layer w0.152: v1(101.117,100.635) 100.635,100.152 100.635,97.993 100.878,97.75 U5.26
  Bottom Layer w0.152: v1(101.117,100.635) 102.525,100.635 U4.2
M_TLE5012_MISO: R13.2 U4.4 U5.27 | length 6.6
  Top Layer w0.152: v1(101.27,98.171) 101.349,98.25 U5.27
  Bottom Layer w0.152: v1(101.27,98.171) 102.449,98.171 U4.4 102.859,98.09 R13.2
M_TLE5012_MOSI: R13.1 U5.28 | length 8.5
  Top Layer w0.152: v1@101.27,98.755 v1(101.275,98.75) U5.28
  Bottom Layer w0.152: v1(101.275,98.75) 100.909,98.75 100.686,98.527 100.686,97.79 101.067,97.409 103.937,97.409 104.219,97.691 R13.1
NetC5_2: C5.2 IC1.5 R5.2 | length 8.1
  Top Layer w0.152: v1(94.082,87.884) 94.428,87.884 IC1.5
  Bottom Layer w0.152: C5.2 92.165,89.23 R5.2 93.535,87.884 v1(94.082,87.884)
NetC6_2: C6.2 U3.4 | length 4.1
  Bottom Layer w0.381: U3.4 111.319,94.759 111.328,94.767 112.6,93.495 C6.2
NetC10_2: C10.2 IC3.37 | length 6.7
  Top Layer w0.152: IC3.37 89.001,110.489 89.306,110.795 89.932,110.795 90.399,111.261 v1(90.399,111.709)
  Bottom Layer w0.152: v1(90.399,111.709) 93.085,111.709 C10.2
NetC11_2: C11.2 IC3.34 | length 6.6
  Top Layer w0.152: v1(90.195,110.465) 90.195,109.603 IC3.34
  Bottom Layer w0.152: v1(90.195,110.465) 90.195,110.617 90.449,110.871 91.465,110.871 91.872,110.465 94.894,110.465 95.051,110.621 C11.2
NetC12_2: C12.2 IC3.38 | length 5.1
  Top Layer w0.152: IC3.38 88.599,110.483 89.318,111.201 v1(89.764,111.201)
  Bottom Layer w0.152: v1(89.764,111.201) 92.302,111.201 C12.2
NetC13_2: C13.2 IC3.33 | length 6.8
  Top Layer w0.152: IC3.33 90.601,109.912 90.696,110.008 90.696,110.136 v1(91.004,110.443)
  Bottom Layer w0.152: v1(91.004,110.443) 91.018,110.429 91.512,110.429 91.756,110.185 95.492,110.185 C13.2
NetC16_1: C16.1 U5.5 XT1.1 | length 24.7
  Top Layer w0.152: U5.5 95.743,100.757 95.077,100.757 94.818,101.016 94.818,103.251 95.021,103.454 95.544,103.454 96.102,104.013 v1(96.317,104.013) ; v1(98.158,105.562) 97.802,105.207 97.053,105.207 96.837,105.423 96.837,106.837 97.419,107.419 97.419,109.001 99.06,110.642 105.156,110.642 105.8,109.998 XT1.1
  Bottom Layer w0.152: v1(96.317,104.013) 97.782,104.013 C16.1 98.619,105.356 98.461,105.514 98.207,105.514 v1(98.158,105.562)
NetC18_1: C18.1 U5.6 XT1.3 | length 15.5
  Top Layer w0.152: U5.6 94.974,100.25 94.513,100.711 94.513,103.454 94.793,103.734 95.428,103.734 v1(96.418,104.724) ; v1(97.384,105.689) 97.384,105.758 97.594,105.969 98.654,105.969 98.933,105.689 102.089,105.689 103.5,107.1 XT1.3
  Bottom Layer w0.152: v1(96.418,104.724) 96.544,104.85 C18.1 97.381,105.687 v1(97.384,105.689)
NetC23_1: C23.1 IC3.10 | length 3.1
  Top Layer w0.152: C23.1 86.893,103.378 86.563,103.708 86.563,105.131 86.732,105.299 IC3.10
NetD1_2: D1.2 R1.1 | length 5.4
  Top Layer w0.152: D1.2 112.065,100.84 v1(112.065,101.6)
  Bottom Layer w0.152: v1(112.065,101.6) 113.055,101.6 113.767,100.889 113.767,99.949 112.854,99.036 R1.1
NetD2_2: D2.2 R2.1 | length 7.7
  Top Layer w0.152: v1(109.753,104.826) 109.753,104.386 D2.2
  Bottom Layer w0.152: v1(109.753,104.826) 110.541,104.038 110.541,100.035 R2.1
NetIC2_1: IC2.1 R7.1 R9.1 | length 4.7
  Top Layer w0.152: IC2.1 89.17,95.428 v1(90.322,95.428)
  Bottom Layer w0.152: R9.1 90.049,95.155 v1(90.322,95.428) 91.135,95.428 91.383,95.675 R7.1
NetIC2_2: IC2.2 R9.2 R11.1 | length 6.5
  Top Layer w0.152: v1(86.485,96.065) 86.533,96.016 86.813,96.016 86.826,96.003 86.872,96.003 87.415,95.46 IC2.2
  Bottom Layer w0.152: v1(86.485,96.065) 86.485,95.996 86.709,95.772 86.709,95.561 86.817,95.453 88.805,95.453 ; R11.1 88.716,95.364 88.805,95.453 ; R9.2 90.049,95.79 89.713,95.453 88.805,95.453
NetIC2_3: IC2.3 IC2.5 R14.1 R15.2 | length 9
  Top Layer w0.152: IC2.3 87.085,93.975 v1(87.406,93.975) ; v1(87.935,91.161) 87.935,90.067 IC2.5
  Bottom Layer w0.152: v1(87.406,93.975) 87.406,93.604 ; R15.2 87.406,93.604 ; R14.1 88.379,90.717 v1(87.935,91.161) 87.097,91.999 87.097,93.294 87.406,93.604
NetIC2_6: IC2.6 R10.2 R12.1 | length 4.8
  Top Layer w0.152: IC2.6@89.002,90.881 89.002,92.253 v1(89.593,92.845)
  Bottom Layer w0.152: R12.1 v1(89.593,92.845) 89.738,92.989 90.728,92.989 90.853,93.114 90.853,93.511 R10.2
NetIC2_7: IC2.7 R8.1 R10.1 | length 5.4
  Top Layer w0.152: IC2.7 90.145,91.395 90.145,92.761 90.322,92.939 v1(91.516,92.939)
  Bottom Layer w0.152: R10.1 91.623,92.104 ; v1(91.516,92.939) 91.55,92.905 91.55,92.507 91.623,92.433 91.623,92.104 ; R8.1 91.623,92.104
NetIC3_12: IC3.12 R19.2 | length 4.7
  Top Layer w0.152: v1(87.884,103.81) 88.2,104.126 IC3.12
  Bottom Layer w0.152: R19.2 85.186,103.144 85.522,103.48 87.554,103.48 v1(87.884,103.81)
NetIC3_13: IC3.13 R20.2 | length 3.9
  Top Layer w0.152: v1(88.468,103.734) 88.599,103.865 IC3.13
  Bottom Layer w0.152: R20.2 86.381,102.942 86.639,103.2 87.849,103.2 88.383,103.734 v1(88.468,103.734)
NetIC3_14: IC3.14 R22.1 R24.1 | length 3.5
  Top Layer w0.152: v1(88.925,103.175) 89.001,103.25 IC3.14
  Bottom Layer w0.152: R22.1 R24.1 88.772,103.021 v1(88.925,103.175)
NetIC3_15: IC3.15 IC3.19 IC3.20 R21.1 | length 12.2
  Top Layer w0.152: IC3.15 89.403,104.597 89.403,103.507 v1(89.407,103.503) ; v1(89.611,99.517) v1(89.611,101.244) 91,102.633 ; IC3.19 91,102.633 ; IC3.20 91.401,103.034 91,102.633
  Bottom Layer w0.152: R21.1 89.424,99.33 v1(89.611,99.517) ; v1(89.407,103.503) 89.425,103.486 89.425,101.5 89.611,101.313 v1(89.611,101.244)
NetIC3_16: IC3.16 R23.2 | length 9.6
  Top Layer w0.152: v1(85.192,98.577) 85.192,99.593 85.496,99.898 87.097,99.898 89.813,102.615 89.813,104.588 IC3.16
  Bottom Layer w0.152: R23.2 85.188,98.581 v1(85.192,98.577)
NetIC3_17: IC3.17 R25.1 R26.1 | length 9
  Top Layer w0.152: v1(87.577,98.596) 87.577,99.984 90.199,102.606 IC3.17
  Bottom Layer w0.152: R25.1 R26.1 87.59,98.614 v1@87.579,98.603
NetR3_2: R3.2 R4.2 | length 1.3
  Top Layer w0.152: R3.2 93.464,96.046 R4.2
NRST: C26.1 R17.2 U5.7 | length 3.7
  Top Layer w0.152: v1(94.336,99.746) 94.34,99.75 U5.7
  Bottom Layer w0.152: v1(94.336,99.746) 94.431,99.65 R17.2 C26.1
PA7: U5.17
PA9: U5.30
PA10: U5.31
PA15: U5.38
PB0: U5.18
PB1: U5.19
PB2: U5.20
PB3: U5.39
PB4: U5.40
PB5: U5.41
PB7: K1.1 U5.43 | length 16
  Top Layer w0.152: U5.43 99.75,105.016 99.839,105.105 103.618,105.105 104.812,103.911 108.077,103.911 109.626,105.461 112.16,105.461 K1.1
PB8: U5.45
PB9: U5.46
PB10: U5.21
PB11: U5.22
PB12: U5.25
PC13: U5.2
PC14: U5.3
PC15: U5.4
PGND: C1.1 C2.1 C4.1 C6.1 C10.1 C11.1 C19.1 C20.1 C21.1 C22.1 CON1.0 IC3.18 IC3.22 IC3.23 IC3.31 IC3.32 IC3.35 IC3.36 IC3.41 R6.2 R16.1 R18.1 S1.1 U1.1 U3.2 | length 43.7
  Top Layer w0.762: v2(84.228,100.914) 85.22,100.914 85.227,100.921 R18.1
  Bottom Layer w0.762: v2(92.964,105.611) v2(88.595,105.611) 87.177,104.193 84.352,104.193 ccw(c100,100) CON1.0@94.459,84.777 ; CON1.0@94.523,85.332 95.454,84.4 98,84.4 101.5,84.4 S1.1
  other v1: 99.695,83.82 100.965,83.82 102.235,83.82 103.505,83.82 92.71,85.09 105.41,85.09 106.68,85.09 90.805,86.36 104.775,86.36 88.9,87.63 90.17,87.63 102.87,87.63 104.14,87.63 105.41,87.63 110.134,87.732 99.695,88.9 102.235,88.9 104.775,88.9 106.045,88.9 109.855,88.9 112.395,88.9 102.87,90.17 105.41,90.17 107.95,90.17 113.03,90.17 103.937,91.084 85.725,91.44 86.995,91.44 104.775,91.44 85.09,92.71 114.935,93.98 111.76,95.25 115.57,95.25 115.113,96.342 113.665,96.52 116.205,96.52 92.659,102.946 92.075,104.14 107.315,106.68 108.585,106.68 109.855,106.68 111.125,106.68 112.395,106.68 110.566,107.137 107.95,107.95 109.22,107.95 110.49,107.95 111.76,107.95 107.315,109.22 108.585,109.22 91.999,109.753 106.68,110.49 107.95,110.49 97.155,111.76 103.505,111.76 104.775,111.76 106.045,111.76 108.585,111.76 107.315,112.141 91.44,113.03 101.6,113.03 105.41,113.03 94.158,113.614 95.25,115.57 104.14,115.57
SWCLK: U5.37 XS2.2 | length 14
  Top Layer w0.152: U5.37 102.75,103.65 102.895,103.505 107.634,103.505 108.091,103.048 110.871,103.048 111.15,103.327 111.862,103.327 113.949,101.24 XS2.2
SWDIO: U5.34 XS2.1 | length 13.8
  Top Layer w0.152: U5.34 108.599,101.75 110.16,100.189 110.16,98.217 110.589,97.788 111.975,97.788 112.887,98.7 XS2.1
pads on no net: IC3.11 IC3.21 IC3.24 IC3.25 U1. U4.1 U4.5 U4.8
copper on no net:
  other v1: 94.717,91.745

## Polygon pours and split planes (outlines as drawn)
PGND on Top Layer "PGND_L01_P016" (hatched 45Degree grid 0.508 track 0.203, remove dead copper, pour order 16): 100,83 cw(c100,100) 83,100 cw(c100,100) 100,117 cw(c100,100) 117,100 cw(c100,100)
DGND on Top Layer "DGND_L01_P012" (hatched 45Degree grid 0.508 track 0.203, remove dead copper, pour order 12): 94,106 106,106 106,94 94,94
M1_IU on Top Layer "M1_IU_L01_P010" (hatched 45Degree grid 0.508 track 0.203, remove dead copper, pour order 10): 87.5,106.35 85.3,106.1 84.76,103.835 84.76,102.311 86.208,102.311 86.208,103.835 86.398,105.474 87.528,105.512
M1_IV on Top Layer "M1_IV_L01_P009" (hatched 45Degree grid 0.508 track 0.203, remove dead copper, pour order 9): 87.5,109.195 87.579,109.274 87.579,111.023 89.992,113.436 90.907,113.436 90.907,112.166 90.881,112.141 89.687,112.141 88.341,110.795 88.341,109.144
DC+ on Top Layer "DC+_L01_P000" (hatched 45Degree grid 0.508 track 0.203, remove dead copper, pour order 0): 93.6,109.2 93.2,108.7 92.7,108.3 91.6,108.3 91.6,107.1 92.7,107.1 93.8,108.2 96.253,108.2 96.253,109.2
M1_W on Top Layer "M1_W_L01_P008" (hatched 45Degree grid 0.508 track 0.203, remove dead copper, pour order 8): 91.6,108.3 91.592,109.144 91.923,109.144 92.9,109.9 93.6,109.2 92.7,108.3
M1_V on Top Layer "M1_V_L01_P007" (hatched 45Degree grid 0.508 track 0.203, remove dead copper, pour order 7): 87.5,108.2 87.5,109.195 86.766,109.169 86.436,109.372 85.979,109.398 85.725,108.991 85.725,108.204
M1_U on Top Layer "M1_U_L01_P005" (hatched 45Degree grid 0.508 track 0.203, remove dead copper, pour order 5): 87.5,107 85.3,107 85.3,106.1 86,106.1 86.119,106.35 87.5,106.35
DC+ on Top Layer "DC+_L01_P002" (hatched 45Degree grid 0.508 track 0.203, remove dead copper, pour order 2): 87.503,108.2 87.503,107.2 85.4,107.2 85.4,108.2
PGND on Bottom Layer "PGND_L02_P017" (hatched 45Degree grid 0.508 track 0.203, remove dead copper, pour order 17): 100,83 cw(c100,100) 83,100 cw(c100,100) 100,117 cw(c100,100) 117,100 cw(c100,100)
DGND on Bottom Layer "DGND_L02_P011" (hatched 45Degree grid 0.508 track 0.203, remove dead copper, pour order 11): 94,106 106,106 106,94 94,94

## Keep-outs
Keep-Out Layer:
  circle w0.013: c100,100 r17
  circle w0.013: c100,108 r1.275
  circle w0.013: c92,100 r1.275
  circle w0.013: c100,92 r1.275
  circle w0.013: c108,100 r1.275

## Silkscreen, mask and mechanical layers (free items; w line width, h text height)
Mechanical 1:
  circle w0.013: c100,100 r17
  circle w0.013: c100,108 r1.275
  circle w0.013: c92,100 r1.275
  circle w0.013: c100,92 r1.275
  circle w0.013: c108,100 r1.275

## Text inside footprints (layer, text, board x,y; h text height)
S1: Bottom Overlay "公" at 105.153,85.313 h1.02 r200; Bottom Overlay "IN" at 104.101,88.066 h1.5 r200